# Altium PCB HORNET-1-IPG.PcbDoc (part 1 of 8) (continued)
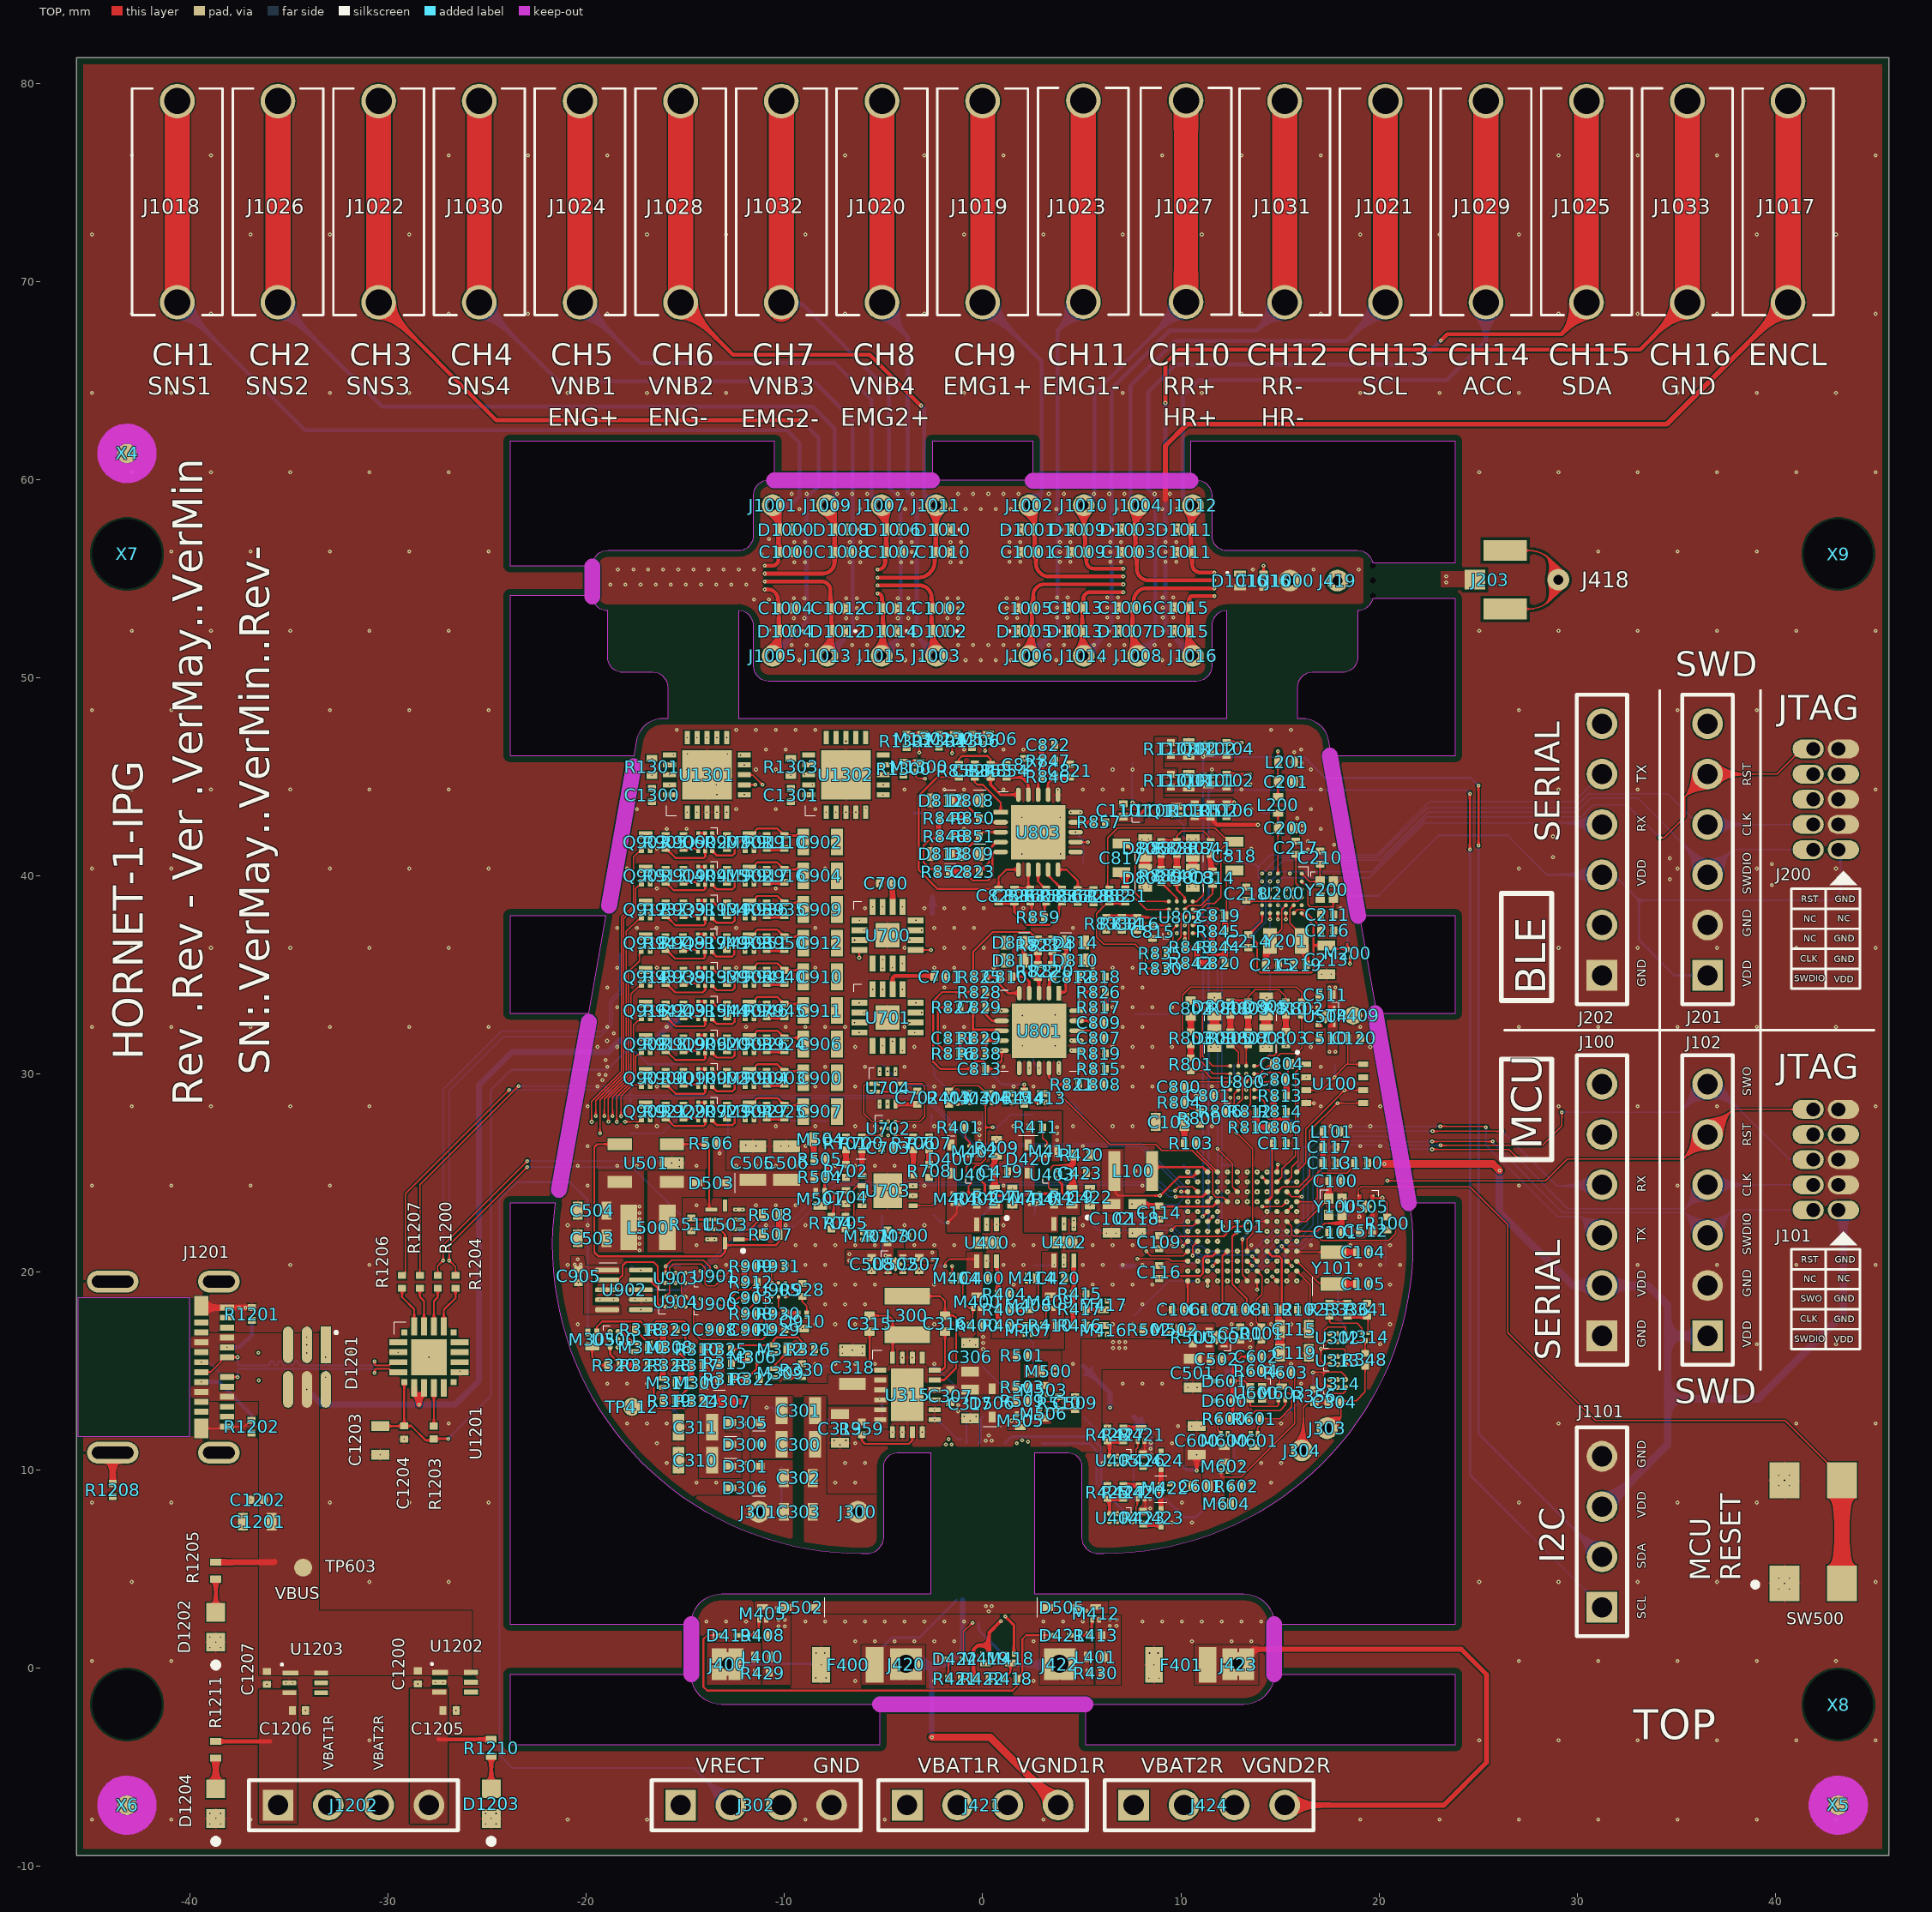
[diagram p0: TOP view]
## Design rules (kind name [scope] priority, off if disabled: settings) (continued)
PolygonConnect PolygonConnect_BAT [InNet('VBAT1R') or InNet('VBAT2R') or InNet('VGND1R') or InNet('VGND2R') vs InNet('VBAT1R') or InNet('VBAT2R') or InNet('VGND1R') or InNet('VGND2R')] p1: connectstyle=Direct reliefconductorwidth=0.254 reliefentries=4 polygonreliefangle="90 Angle" airgapwidth=0.254
PolygonConnect PolygonConnect_POWER [NOT InNet('GND')] p2: connectstyle=Direct reliefconductorwidth=0.254 reliefentries=4 polygonreliefangle="90 Angle" airgapwidth=0.254
PolygonConnect PolygonConnect_ANT [InNet('NetC200_*') OR InNet('NetC208_2') OR InNet('ANT+')] p3: connectstyle=Direct reliefconductorwidth=0.102 reliefentries=4 polygonreliefangle="90 Angle" airgapwidth=0.102
PolygonConnect [All] p4: thpad.connectstyle=Direct thpad.reliefconductorwidth=0.102 thpad.reliefentries=4 thpad.polygonreliefangle="90 Angle" thpad.airgapwidth=0.102 smdpad.connectstyle=Relief smdpad.reliefconductorwidth=0.102 smdpad.reliefentries=4 smdpad.polygonreliefangle="90 Angle" smdpad.airgapwidth=0.05 via.connectstyle=Direct via.reliefconductorwidth=0.102 via.reliefentries=4 via.polygonreliefangle="90 Angle" via.airgapwidth=0.102
RoomDefinition BGA6 [False] p1: confinementstyle=ConfineIn formatcopy=TRUE lockcomponents=FALSE outline -16.2,17.8 -12.395,17.8 -12.395,20.2 -16.2,20.2
RoomDefinition BGA2 [False] p2: confinementstyle=ConfineIn formatcopy=TRUE lockcomponents=FALSE outline 12.2,28.5 14,28.5 14,30.7 12.2,30.7
RoomDefinition BGA5 [False] p3: confinementstyle=ConfineIn formatcopy=TRUE lockcomponents=FALSE outline 9.145,36.88 10.855,36.88 10.855,38.92 9.145,38.92
RoomDefinition BGA1 [False] p4: confinementstyle=ConfineIn formatcopy=TRUE lockcomponents=FALSE outline 13.87,37.872 13.87,40.352 16.33,40.352 16.33,37.872
RoomDefinition BGA4 [False] p5: confinementstyle=ConfineIn formatcopy=TRUE lockcomponents=FALSE outline 9.6,18.8 9.6,25.8 16.6,25.8 16.6,18.8
RoutingCorners [All] p1 off: cornerstyle=45-Degree minsetback=2.54 maxsetback=2.54
RoutingVias RoutingVia [All] p1: holewidth=0.152 width=0.356 viastyle="Through Hole" minholewidth=0.152 minwidth=0.356 maxholewidth=0.203 maxwidth=0.508 useviatemplates=TRUE viatemplateguid#1={6F137D39-EFB3-471D-AB9A-2024EF80A49C} viatemplatename#1=70u/200u
SMDEntry [All] p1: side=TRUE corner=TRUE anyangle=TRUE
SMDNeckDown [All] p1 off: percent=50.000
SilkToSilkClearance [All] p1 off: silktosilkclearance=0.127
SilkToSolderMaskClearance SilkscreenOverComponentPads [All] p1: minsilkscreentomaskgap=0.064 clearancetoexposedcopper=FALSE
SolderMaskExpansion SolderMaskExpansion_Via [IsVia] p1: expansion=0.102 istentingtop=TRUE
SolderMaskExpansion SolderMaskExpansion_GSS_LE_BGA [WithinRoom('BGA1','BGA2','BGA3','BGA4','BGA5')] p2: expansion=0.06 istentingtop=FALSE
SolderMaskExpansion SolderMaskExpansion_GSS_PERF [not IsVia] p3: expansion=0.075 istentingtop=FALSE
SolderMaskExpansion SolderMaskExpansion_GSS_LE [All] p4 off: expansion=0.06 istentingtop=FALSE
SupplyNets "Schematic Supply Nets_4" [InNet('VCHG_RAIL')] p1: voltage=5.000
SupplyNets "Schematic Supply Nets_3" [InNet('VBUS')] p2: voltage=5.000
SupplyNets "Schematic Supply Nets_2" [InNet('DVDD')] p3: voltage=3.300
SupplyNets "Schematic Supply Nets_1" [InNet('VDDS')] p4: voltage=3.300
SupplyNets "Schematic Supply Nets" [InNet('VDDA')] p5: voltage=3.300
UnConnectedPin [All] p1 off:
UnRoutedNet [All] p1: checkbadconnections=TRUE
Width Width_ANT_TOP_layer [OnLayer('TOP') and InNetClass('50_OHM')] p1: maxlimit=0.254 minlimit=0.076 preferedwidth=0.254 toplayer_maxwidth=0.076 toplayer_prefwidth=0.076 substack1={3E7DB748-9F02-419D-9B08-30533E7470E3} toplayer_{3e7db748-9f02-419d-9b08-30533e7470e3}_minwidth=0.254 midlayer1_{3e7db748-9f02-419d-9b08-30533e7470e3}_minwidth=0.254 midlayer2_{3e7db748-9f02-419d-9b08-30533e7470e3}_minwidth=0.254 midlayer3_{3e7db748-9f02-419d-9b08-30533e7470e3}_minwidth=0.254 midlayer6_{3e7db748-9f02-419d-9b08-30533e7470e3}_minwidth=0.254 bottomlayer_{3e7db748-9f02-419d-9b08-30533e7470e3}_minwidth=0.254 impedanceprofiledriven=TRUE impedanceprofileid={823FEB0B-B66F-45F3-9F92-E5AAAC55A20F} impedanceprofilevalue=50.000000 minimp=50.000000 maximp=50.000000 favimp=50.000000
Width Width_ANT_inner_layer [OnLayer('POWER') and InNetClass('50_OHM')] p2: maxlimit=0.076 minlimit=0.029 preferedwidth=0.071 midlayer5_minwidth=0.071 midlayer5_maxwidth=0.071 substack1={3E7DB748-9F02-419D-9B08-30533E7470E3} toplayer_{3e7db748-9f02-419d-9b08-30533e7470e3}_minwidth=0.254 toplayer_{3e7db748-9f02-419d-9b08-30533e7470e3}_maxwidth=0.254 toplayer_{3e7db748-9f02-419d-9b08-30533e7470e3}_prefwidth=0.254 midlayer1_{3e7db748-9f02-419d-9b08-30533e7470e3}_minwidth=0.254 midlayer1_{3e7db748-9f02-419d-9b08-30533e7470e3}_maxwidth=0.254 midlayer1_{3e7db748-9f02-419d-9b08-30533e7470e3}_prefwidth=0.254 midlayer2_{3e7db748-9f02-419d-9b08-30533e7470e3}_minwidth=0.254 midlayer2_{3e7db748-9f02-419d-9b08-30533e7470e3}_maxwidth=0.254 midlayer2_{3e7db748-9f02-419d-9b08-30533e7470e3}_prefwidth=0.254 midlayer3_{3e7db748-9f02-419d-9b08-30533e7470e3}_minwidth=0.254 midlayer3_{3e7db748-9f02-419d-9b08-30533e7470e3}_maxwidth=0.254 midlayer3_{3e7db748-9f02-419d-9b08-30533e7470e3}_prefwidth=0.254 midlayer5_{3e7db748-9f02-419d-9b08-30533e7470e3}_minwidth=0.091 midlayer5_{3e7db748-9f02-419d-9b08-30533e7470e3}_maxwidth=0.091 midlayer5_{3e7db748-9f02-419d-9b08-30533e7470e3}_prefwidth=0.091 midlayer6_{3e7db748-9f02-419d-9b08-30533e7470e3}_minwidth=0.254 midlayer6_{3e7db748-9f02-419d-9b08-30533e7470e3}_maxwidth=0.254 midlayer6_{3e7db748-9f02-419d-9b08-30533e7470e3}_prefwidth=0.254 bottomlayer_{3e7db748-9f02-419d-9b08-30533e7470e3}_minwidth=0.254 bottomlayer_{3e7db748-9f02-419d-9b08-30533e7470e3}_maxwidth=0.254 bottomlayer_{3e7db748-9f02-419d-9b08-30533e7470e3}_prefwidth=0.254 impedanceprofiledriven=TRUE impedanceprofileid={6B18A218-5760-4BF1-B6E5-0FB2CE448664} impedanceprofilevalue=50.000000 minimp=50.000000 maximp=50.000000 favimp=50.000000
Width Width_GSS_STD_60u [All] p3: maxlimit=10 minlimit=0.06 preferedwidth=0.06 substack1={3E7DB748-9F02-419D-9B08-30533E7470E3} toplayer_{3e7db748-9f02-419d-9b08-30533e7470e3}_minwidth=0.254 toplayer_{3e7db748-9f02-419d-9b08-30533e7470e3}_maxwidth=0.254 toplayer_{3e7db748-9f02-419d-9b08-30533e7470e3}_prefwidth=0.254 midlayer1_{3e7db748-9f02-419d-9b08-30533e7470e3}_minwidth=0.254 midlayer1_{3e7db748-9f02-419d-9b08-30533e7470e3}_maxwidth=0.254 midlayer1_{3e7db748-9f02-419d-9b08-30533e7470e3}_prefwidth=0.254 midlayer2_{3e7db748-9f02-419d-9b08-30533e7470e3}_minwidth=0.254 midlayer2_{3e7db748-9f02-419d-9b08-30533e7470e3}_maxwidth=0.254 midlayer2_{3e7db748-9f02-419d-9b08-30533e7470e3}_prefwidth=0.254 midlayer3_{3e7db748-9f02-419d-9b08-30533e7470e3}_minwidth=0.254 midlayer3_{3e7db748-9f02-419d-9b08-30533e7470e3}_maxwidth=0.254 midlayer3_{3e7db748-9f02-419d-9b08-30533e7470e3}_prefwidth=0.254 midlayer6_{3e7db748-9f02-419d-9b08-30533e7470e3}_minwidth=0.254 midlayer6_{3e7db748-9f02-419d-9b08-30533e7470e3}_maxwidth=0.254 midlayer6_{3e7db748-9f02-419d-9b08-30533e7470e3}_prefwidth=0.254 bottomlayer_{3e7db748-9f02-419d-9b08-30533e7470e3}_minwidth=0.254 bottomlayer_{3e7db748-9f02-419d-9b08-30533e7470e3}_maxwidth=0.254 bottomlayer_{3e7db748-9f02-419d-9b08-30533e7470e3}_prefwidth=0.254 // 18u (1/2oz) Cu
Width Width_GSS_PERF_40u [All] p4 off: maxlimit=10 minlimit=0.04 preferedwidth=0.04 substack1={3E7DB748-9F02-419D-9B08-30533E7470E3} // 18u (1/2oz) Cu per design guidelines
Width Width_GSS_PERF_50u [All] p5 off: maxlimit=10 minlimit=0.05 preferedwidth=0.05 substack1={3E7DB748-9F02-419D-9B08-30533E7470E3} // 18u (1/2oz) Cu per discussion with GSS
9 further rules are at their usual default settings.

## Classes and differential pairs
net class POWER: DVDD HVIN HVOUT V_UNREG VBAT1F VBAT1R VBAT1SW VBAT2F VBAT2R VBAT2SW VCHG_RAIL VDDA VDDS VRECT
net class DIGITAL: ACC.SCL ACC.SDA ACC_EN AMPL_RSTn BATT.MON_EN BATT.SW_EN BLE_P.1 BLE_P.2 BLE_PWRn BLE_RSTn BLE_SWDCLK BLE_SWDIO BLE_UART.RX BLE_UART.TX CB_EN CHG1.EN CHG1.OVP_ERRn CHG1.STATUS CHG2.EN CHG2.OVP_ERRn CHG2.STATUS CHG_RATE1 CHG_RATE2 DEBUG_UART_RX DEBUG_UART_TX ECG.HR_LOD ECG.HR_SDNn ECG.RLD ECG.RR_LOD ECG.RR_SDNn ECG_SEL ECG_SELn EMG1.LOD EMG1.SDNn EMG2.LOD EMG2.SDNn FRAM_EN HV_EN HVSW_EN I2C2.SCL I2C2.SDA IMP_EN IMPA_SEL.0 IMPA_SEL.1 IMPA_SEL.2 IMPA_SEL.3 IMPB_SEL.0 IMPB_SEL.1 IMPB_SEL.2 IMPB_SEL.3 IPG_SHDN MAG_DET MUX_EN MUX_ENn PG_START PH1_EN PH2_EN SNK1 SNK2 SNK3 SNK4 SNK5 SNK6 SNK7 SNK8 SNK17 SPI1.BLE_CSn SPI1.FRAM_CSn SPI1.MISO SPI1.MOSI SPI1.SCK SR_SEL1 SR_SEL1n SR_SEL2 SR_SEL2n SRC1 SRC2 SRC3 SRC4 SRC5 SRC6 SRC7 SRC8 SRC17 STIM_EN SWCLK SWDIO SWO SYS_RSTn TEMP_EN USB_N USB_P VCHG_PGOOD VDDA_EN VDDS_EN VPPSW_EN VRECT.DET VRECT.MON_EN VRECT.OVP XL_SCL XL_SDA
net class ANALOG: BATT.MON1 BATT.MON2 CH5 CH6 CH7 CH8 CH10 CH12 ECG.HR_OUT ECG.RR_OUT ECG_HR+ ECG_HR- ECG_RR+ ECG_RR- EMG1+ EMG1- EMG1.OUT EMG2+ EMG2- EMG2.OUT ENCL IMP1 IMP2 IMP3 IMP4 IMP5 IMP6 IMP7 IMP8 IMP17 IMP_INA IMP_INB NetC101_1 SNS_STIM1 SNS_STIM2 SNS_STIM3 SNS_STIM4 THERM.OFST THERM.OUT THERM.REF VNS_STIM5 VNS_STIM6 VNS_STIM7 VNS_STIM8 VRECT.MON
component class "Test Fixture": C1200 C1201 C1202 C1203 C1204 C1205 C1206 C1207 D1201 D1202 D1203 D1204 J1201 J1202 R1200 R1201 R1202 R1203 R1204 R1205 R1206 R1207 R1208 R1210 R1211 TP603 TP1200 TP1201 TP1202 TP1203 TP1205 TP1206 U1201 U1202 U1203
component class "Output Multiplexing": C1300 C1301 M1300 M1302 M1305 M1306 R1300 R1301 R1302 R1303 R1304 R1306 U1301 U1302
component class Digital: C1101 C1102 D1101 D1102 J1101 Q1101 Q1102 Q1103 R1101 R1102 R1103 R1104 R1105 R1106 TP1101 TP1103 U1101
component class WPT: C300 C301 C302 C303 C304 C306 C307 C310 C311 C315 C316 C317 C318 C319 D300 D301 D305 D306 D307 J300 J301 J302 J303 J304 L300 M300 M305 M306 M308 M309 M310 M311 M312 M314 R310 R315 R316 R317 R318 R319 R320 R322 R323 R324 R325 R326 R328 R329 R330 R336 R337 R341 R348 R356 R359 TP300 TP302 TP308 TP309 TP310 TP311 TP312 TP313 TP314 TP316 TP319 TP320 TP321 U300 U302 U313 U314 U315
component class U_System: J418 J419
component class "STM32 MCU": C100 C101 C102 C103 C104 C105 C106 C107 C108 C109 C110 C111 C112 C113 C114 C115 C116 C117 C118 C119 C120 J100 J101 J102 L100 L101 R100 R101 R102 R103 TP100 TP101 TP104 TP105 TP106 TP108 U100 U101 Y100 Y101
component class Stimulation: C900 C901 C902 C903 C904 C905 C906 C907 C908 C909 C910 C911 C912 M900 M901 M902 M903 M904 M905 M906 M907 M908 Q900 Q901 Q902 Q903 Q904 Q905 Q906 Q907 Q908 Q909 Q910 Q911 Q912 Q913 Q914 Q915 Q916 Q917 Q918 R900 R901 R902 R903 R904 R905 R906 R907 R908 R909 R910 R911 R912 R913 R914 R915 R916 R917 R918 R919 R920 R921 R922 R923 R924 R925 R926 R927 R928 R929 R930 R931 R932 R933 R934 R935 R936 R937 R938 R939 R940 R941 R942 R943 R944 R945 R946 R947 R948 R949 R950 R951 TP900 TP901 TP902 U900 U901 U902 U903 U904 U905
component class Sensing: C800 C801 C802 C803 C804 C805 C806 C807 C808 C809 C810 C811 C812 C813 C814 C815 C816 C817 C818 C819 C820 C821 C822 C823 C824 C825 C826 C827 C828 C829 D800 D801 D802 D803 D804 D805 D806 D807 D808 D809 D810 D811 D812 D813 D814 D815 R800 R801 R802 R803 R804 R805 R806 R807 R808 R809 R810 R811 R812 R813 R814 R815 R816 R817 R818 R819 R820 R821 R822 R823 R824 R825 R826 R827 R828 R829 R830 R831 R832 R833 R834 R835 R836 R837 R838 R839 R840 R841 R842 R843 R844 R845 R846 R847 R848 R849 R850 R851 R852 R853 R854 R855 R856 R857 R858 R859 R860 R861 TP800 TP801 TP802 TP803 TP804 TP805 U800 U801 U802 U803
component class "Power Management": C500 C501 C502 C503 C504 C505 C506 C507 C508 C509 C510 C511 C512 D502 D503 D505 D506 L500 M500 M501 M502 M503 M504 M505 M506 R500 R501 R502 R503 R504 R505 R506 R507 R508 R509 R510 R511 SW500 TP500 TP501 TP502 TP503 TP504 TP505 TP506 TP508 TP509 TP510 TP512 TP513 TP514 U500 U501 U502 U503 U504 U505
component class "Magnet Sensor": C600 C601 C602 D600 D601 M600 M601 M602 M603 M604 R600 R601 R602 R603 R604 TP600 TP601 TP602 TP604 U600
component class IMC: C700 C701 C702 C703 C704 M700 M701 R700 R701 R702 R703 R704 R705 R706 R707 R708 TP700 TP701 TP702 TP703 U700 U701 U702 U703 U704
component class Electrodes: C1000 C1001 C1002 C1003 C1004 C1005 C1006 C1007 C1008 C1009 C1010 C1011 C1012 C1013 C1014 C1015 C1016 D1000 D1001 D1002 D1003 D1004 D1005 D1006 D1007 D1008 D1009 D1010 D1011 D1012 D1013 D1014 D1015 D1016 J1000 J1001 J1002 J1003 J1004 J1005 J1006 J1007 J1008 J1009 J1010 J1011 J1012 J1013 J1014 J1015 J1016 J1017 J1018 J1019 J1020 J1021 J1022 J1023 J1024 J1025 J1026 J1027 J1028 J1029 J1030 J1031 J1032 J1033
component class 01-Cover: X1 X2 X3 X4 X5 X6 X7 X8 X9
component class BLE: C200 C201 C210 C211 C213 C214 C215 C216 C217 C218 C219 J200 J201 J202 J203 L200 L201 M200 TP200 TP201 TP202 TP203 TP204 TP205 U200 Y200 Y201
component class "Battery Management": C400 C417 C419 C420 C422 C423 D400 D419 D420 D421 D422 D423 D424 F400 F401 J400 J420 J421 J422 J423 J424 L400 L401 M400 M401 M402 M403 M404 M405 M406 M407 M408 M409 M410 M411 M412 M413 M414 M415 M416 M417 M418 M419 M420 M421 M422 R400 R401 R402 R403 R404 R405 R406 R407 R408 R409 R410 R411 R412 R413 R414 R415 R416 R417 R418 R419 R420 R421 R422 R423 R424 R425 R426 R427 R428 R429 R430 TP400 TP401 TP402 TP403 TP404 TP405 TP406 TP407 TP408 TP409 TP410 TP411 TP412 TP413 TP414 TP415 TP416 TP417 TP418 TP419 TP420 TP421 TP422 TP423 TP424 TP425 TP426 TP427 TP428 TP429 TP430 TP431 TP432 TP433 TP434 TP435 U400 U401 U402 U403 U404 U405
net class 50_OHM: ANT+ ANT- NetC200_2
differential pair USB: +USB_P -USB_N

## Components (designator, comment, footprint, x,y, rotation, side; value= is the part's Value field where it differs from the comment)
C100 "GRM0335C1E120JA01D" C0201_C 17.8,24.6 r180 top value=12pF
C101 "GRM0335C1E120JA01D" C0201_C 17.8,22 r180 top value=12pF
C102 "GRM188R61C475KE11" CAP0603_REDUCED 6.5,22.7 r90 top value=4.7uF
C103 "GRM188R61C475KE11" CAP0603_REDUCED 9.45,27.575 r180 top value=4.7uF
C104 "GRM0335C1E120JA01D" C0201_C 19.2,21 r180 top value=12pF
C105 "GRM0335C1E120JA01D" C0201_C 19.2,19.4 r180 top value=12pF
C106 "GRM033R61E104KE14J" C0201_C 9.9,18.1 r0 top value=100nF
C107 "GRM033R61E104KE14J" C0201_C 11.5,18.1 r0 top value=100nF
C108 "GRM033R61E104KE14J" C0201_C 13,18.1 r0 top value=100nF
C109 "GRM033R61E104KE14J" C0201_C 8.9,21.5 r90 top value=100nF
C110 "GRM033R61E104KE14J" C0201_C 19.1,25.5 r180 top value=100nF
C111 "GRM033R61E104KE14J" C0201_C 15,26.5 r180 top value=100nF
C112 "GRM033R61E104KE14J" C0201_C 14.6,18.1 r0 top value=100nF
C113 "GRM033R61E104KE14J" C0201_C 17.5,25.5 r180 top value=100nF
C114 "GRM033R61E104KE14J" C0201_C 8.9,23 r90 top value=100nF
C115 "GRM188R61C475KE11" CAP0603_REDUCED 15.724,17.124 r0 top value=4.7uF
C116 "GRM033R61E104KE14J" C0201_C 8.9,20 r270 top value=100nF
C117 "GRM033R61C105ME15D" C0201_C 17.5,26.3 r0 top value=1uF
C118 "GRM188R61C475KE11" CAP0603_REDUCED 7.8,22.7 r270 top value=4.7uF
C119 "GRM188R61C475KE11" CAP0603_REDUCED 15.724,15.922 r0 top value=4.7uF
C120 "GRM033R61E104KE14J" C0201_C 18.745,31.8 r180 top value=100nF
C200 "600L0R8AT200T" CAP0402_REDUCED 15.3,42.4 r180 top value=0.8pF
C201 "600L1R0AT200T" CAP0402_REDUCED 15.3,44.753 r180 top value=1pF
C210 "GRM0335C1E120JA01D" C0201_C 17.028,40.912 r90 top value=12pF
C211 "GRM0335C1E120JA01D" C0201_C 17.384,38.044 r180 top value=12pF
C213 "GRM188R61C475KE11" CAP0603_REDUCED 17.348,35.761 r270 top value=4.7uF
C214 "GRM033R61E104KE14J" C0201_C 13.4,36.7 r90 top value=100nF
C215 "GRM0335C1E120JA01D" C0201_C 14.6,35.5 r180 top value=12pF
C216 "GRM033R61E104KE14J" C0201_C 17.389,37.236 r180 top value=100nF
C217 "GRM033R71E101KA01D" C0201_C 15.8,41.412 r270 top value=100pF
C218 "GRM033R61C105ME15D" C0201_C 13.3,39.1 r90 top value=1uF
C219 "GRM0335C1E120JA01D" C0201_C 16,35.5 r0 top value=12pF
C300 "GRM2195C2A273GE01D" CAP0805_REDUCED -9.3,11.3 r180 top value=27nF
C301 "GRM2195C2A273GE01D" CAP0805_REDUCED -9.3,13 r180 top value=27nF
C302 "C0603C472F3GECTU" CAP0603_REDUCED -9.3,9.6 r0 top value=4.7nF
C303 "C0603C472F3GECTU" CAP0603_REDUCED -9.3,7.9 r0 top value=4.7nF
C304 "GRM0335C1E330JA01D" C0201_C 17.755,13.437 r0 top value=33pF
C306 "GRM188R61C475KE11" CAP0603_REDUCED -0.636,15.704 r90 top value=4.7uF
C307 "GRM033R61E104KE14J" C0201_C -1.632,13.737 r90 top value=100nF
C310 "GCM21BC7YA475KE36L" CAP0805_REDUCED -14.5,10.5 r0 top value=4.7uF
C311 "GCM21BC7YA475KE36L" CAP0805_REDUCED -14.5,12.167 r0 top value=4.7uF
C315 "GCM155R71H223KA55D" CAP0402_REDUCED -5.7,17.4 r90 top value=0.022uF
C316 "GCM155R71H223KA55D" CAP0402_REDUCED -1.9,17.4 r90 top value=0.022uF
C317 "GRM188R61C475KE11" CAP0603_REDUCED -0.636,13.342 r270 top value=4.7uF
C318 "GCM21BC7YA475KE36L" CAP0805_REDUCED -6.575,15.2 r270 top value=4.7uF
C319 "GRM188R61C475KE11" CAP0603_REDUCED -7.2,12.1 r270 top value=4.7uF
C400 "GRM033R61C105ME15D" C0201_C 0,19.7 r0 top value=1uF
C417 "GCM155R71C104KA55" CAP0402_REDUCED 1.5,23.809 r90 top value=0.1uF
C419 "GCM033R71E471KA03D" C0201_C 0.932,25.069 r180 top value=470pF
C420 "GRM033R61C105ME15D" C0201_C 3.8,19.7 r0 top value=1uF
C422 "GCM155R71C104KA55" CAP0402_REDUCED 5.419,23.778 r90 top value=0.1uF
C423 "GCM033R71E471KA03D" C0201_C 4.9,25 r180 top value=470pF
C500 "GRM033R61E104KE14J" C0201_C 13,16.9 r270 top value=100nF
C501 "GRM188R61C475KE11" CAP0603_REDUCED 10.6,14.9 r270 top value=4.7uF
C502 "GRM033R61E104KE14J" C0201_C 11.8,15.6 r180 top value=100nF
C503 "GRM188R61C475KE11" CAP0603_REDUCED -19.7,21.7 r180 top value=4.7uF
C504 "GRM188R61C475KE11" CAP0603_REDUCED -19.7,23.1 r180 top value=4.7uF
C505 "GCM21BC7YA475KE36L" CAP0805_REDUCED -11.6,25.5 r90 top value=4.7uF
C506 "GCM21BC7YA475KE36L" CAP0805_REDUCED -9.9,25.5 r90 top value=4.7uF
C507 "GRM033R61E104KE14J" C0201_C -3.2,20.4 r90 top value=100nF
C508 "GRM033R61E104KE14J" C0201_C -5.6,20.4 r90 top value=100nF
C509 "GRM033R61E104KE14J" C0201_C 4.661,13.386 r270 top value=100nF
C510 "GRM033R61E104KE14J" C0201_C 17.3,31.8 r0 top value=100nF
C511 "GRM033R61E104KE14J" C0201_C 17.3,34 r0 top value=100nF
C512 "GRM033R61E104KE14J" C0201_C 19.334,22.096 r0 top value=100nF
C600 "GRM188R61C475KE11" CAP0603_REDUCED 10.8,11.5 r90 top value=4.7uF
C601 "ZRB15XR61A106ME01D" CAP0402_REDUCED 11,9.2 r0 top value=10uF
C602 "GRM033R61E104KE14J" C0201_C 13.809,15.727 r180 top value=100nF
C700 "GRM033R61E104KE14J" C0201_C -4.88,39.621 r0 top value=100nF
C701 "GRM033R61E104KE14J" C0201_C -2.124,34.902 r180 top value=100nF
C702 "GRM033R61E104KE14J" C0201_C -3.3,28.8 r270 top value=100nF
C703 "GRM033R61E104KE14J" C0201_C -4.775,26.271 r180 top value=100nF
C704 "GRM033R61E104KE14J" C0201_C -6.901,23.781 r90 top value=100nF
C800 "GRM033R61E104KE14J" C0201_C 9.905,29.336 r0 top value=100nF
C801 "GRM033R61E104KE14J" C0201_C 11.4,28.9 r0 top value=100nF
C802 "CGA2B1X7S1C334K050BC" CAP0402_REDUCED 10.5,33.3 r270 top value=0.33uF
C803 "GRM033R71E102KA01J" C0201_C 15.3,31.8 r270 top value=1nF
C804 "CGA2B1X7S1C334K050BC" CAP0402_REDUCED 15.1,30.5 r180 top value=0.33uF
C805 "GRM033R71E102KA01J" C0201_C 15,29.7 r180 top value=1nF
C806 "GCM155R71H152KA37D" CAP0402_REDUCED 15,27.3 r180 top value=1500pF
C807 "GRM033R61E104KE14J" C0201_C 5.864,31.802 r180 top value=100nF
C808 "GRM033R61E104KE14J" C0201_C 5.864,29.475 r0 top value=100nF
C809 "GRM033R60J155ME14D" C0201_C 5.864,32.578 r180 top value=1.5uF
C810 "GRM033R71E102KA01J" C0201_C 1.151,34.91 r0 top value=1nF
C811 "GRT033R60J474KE01D" C0201_C -1.473,31.802 r180 top value=470nF
C812 "GRT033R60J474KE01D" C0201_C 4.522,34.905 r0 top value=470nF
C813 "GRM0335C1H680JA01D" C0201_C -0.168,30.251 r0 top value="68 pF"
C814 "GRM033R71E102KA01J" C0201_C 11.6,39.9 r270 top value=1nF
C815 "GRM033R61E104KE14J" C0201_C 8.572,37.17 r90 top value=100nF
C816 "GRM033R61E104KE14J" C0201_C 7.8,37.57 r90 top value=100nF
C817 "GRM188Z71C225ME43J" CAP0603_REDUCED 7,40.9 r270 top value=2.2uF
C818 "GRM188Z71C225ME43J" CAP0603_REDUCED 12.7,41 r270 top value=2.2uF
C819 "GRM033R61E104KE14J" C0201_C 11.9,38 r180 top value=100nF
C820 "GRM033R61E104KE14J" C0201_C 11.9,35.6 r180 top value=100nF
C821 "GRM033R61E104KE14J" C0201_C 4.4,45.3 r90 top value=100nF
C822 "GRM033R61E104KE14J" C0201_C 3.3,46.6 r0 top value=100nF
C823 "GRM033R71E102KA01J" C0201_C -0.5,40.2 r0 top value=1nF
C824 "GRT033R60J474KE01D" C0201_C -0.4,45.3 r90 top value=470nF
C825 "GRT033R60J474KE01D" C0201_C 0.8,39 r270 top value=470nF
C826 "GRM0335C1E271JA01D" C0201_C 1.6,39 r90 top value=270pF
C827 "GRM033R60J155ME14D" C0201_C 2.1,45.6 r270 top value=1.5uF
C828 "GRM0335C1H680JA01D" C0201_C 5.6,38.97 r90 top value="68 pF"
C829 "GRM0335C1E271JA01D" C0201_C -0.168,33.354 r0 top value=270pF
C900 "GRM21BR61H106ME43L" CAP0805_REDUCED -8.2,29.8 r0 top value=10uF
C901 "GRM033R61E104KE14J" C0201_C -11.7,17.1 r0 top value=100nF
C902 "GRM21BR61H106ME43L" CAP0805_REDUCED -8.2,41.7 r0 top value=10uF
C903 "GRM033R61E104KE14J" C0201_C -11.7,18.7 r0 top value=100nF
C904 "GRM21BR61H106ME43L" CAP0805_REDUCED -8.2,40 r0 top value=10uF
C905 "GRM033R61E104KE14J" C0201_C -20.4,19.8 r90 top value=100nF
C906 "GRM21BR61H106ME43L" CAP0805_REDUCED -8.2,31.5 r0 top value=10uF
C907 "GRM21BR61H106ME43L" CAP0805_REDUCED -8.2,28.1 r0 top value=10uF
C908 "GRM033R61E104KE14J" C0201_C -13.5,17.1 r180 top value=100nF
C909 "GRM21BR61H106ME43L" CAP0805_REDUCED -8.2,38.3 r0 top value=10uF
C910 "GRM21BR61H106ME43L" CAP0805_REDUCED -8.2,34.9 r0 top value=10uF
C911 "GRM21BR61H106ME43L" CAP0805_REDUCED -8.2,33.2 r0 top value=10uF
C912 "GRM21BR61H106ME43L" CAP0805_REDUCED -8.203,36.6 r0 top value=10uF
C1000 "C1005C0G2A681J050BE" CAP0402_REDUCED -9.9,56.335 r180 top value=680pF
C1001 "C1005C0G2A681J050BE" CAP0402_REDUCED 2.293,56.335 r0 top value=680pF
C1002 "C1005C0G2A681J050BE" CAP0402_REDUCED -2.183,53.505 r180 top value=680pF
C1003 "C1005C0G2A681J050BE" CAP0402_REDUCED 7.373,56.335 r0 top locked value=680pF
C1004 "C1005C0G2A681J050BE" CAP0402_REDUCED -9.933,53.505 r180 top value=680pF
C1005 "C1005C0G2A681J050BE" CAP0402_REDUCED 2.148,53.505 r0 top value=680pF
C1006 "C1005C0G2A681J050BE" CAP0402_REDUCED 7.228,53.536 r0 top locked value=680pF
C1007 "C1005C0G2A681J050BE" CAP0402_REDUCED -4.518,56.335 r180 top value=680pF
C1008 "C1005C0G2A681J050BE" CAP0402_REDUCED -7.107,56.335 r180 top value=680pF
C1009 "C1005C0G2A681J050BE" CAP0402_REDUCED 4.833,56.335 r0 top locked value=680pF
C1010 "C1005C0G2A681J050BE" CAP0402_REDUCED -2.018,56.335 r180 top value=680pF
C1011 "C1005C0G2A681J050BE" CAP0402_REDUCED 10.167,56.335 r0 top locked value=680pF
C1012 "C1005C0G2A681J050BE" CAP0402_REDUCED -7.286,53.505 r180 top value=680pF
C1013 "C1005C0G2A681J050BE" CAP0402_REDUCED 4.688,53.536 r0 top locked value=680pF
C1014 "C1005C0G2A681J050BE" CAP0402_REDUCED -4.683,53.505 r180 top value=680pF
C1015 "C1005C0G2A681J050BE" CAP0402_REDUCED 10.022,53.536 r0 top locked value=680pF
C1016 "GRT0335C1E680JA02D" C0201_C 14.173,54.897 r270 top value=68pF
C1101 "GRM033R61E104KE14J" C0201_C 7.1,43.3 r270 top value=100nF
C1102 "GRM033R61C105ME15D" C0201_C 11.5,43.3 r270 top value=1uF
C1200 "GRM033R61E104KE14J" C0201_C -28.499,-0.457 r90 top value=100nF
C1201 "GRM188R61C475KE11" CAP0603_REDUCED -36.6,7.4 r180 top value=4.7uF
C1202 "GRM033R61E104KE14J" C0201_C -36.6,8.5 r0 top value=100nF
C1203 "GRM188R61C475KE11" CAP0603_REDUCED -30.4,11.5 r270 top value=4.7uF
C1204 "GRM033R61E104KE14J" C0201_C -29.2,11.9 r90 top value=100nF
C1205 "GRM033R61C105ME15D" C0201_C -26.9,-2.129 r0 top value=1uF
C1206 "GRM033R61C105ME15D" C0201_C -34.5,-2.129 r180 top value=1uF
C1207 "GRM033R61E104KE14J" C0201_C -36.119,-0.483 r90 top value=100nF
C1300 "GRM033R61E104KE14J" C0201_C -16.696,44.077 r90 top value=100nF
C1301 "GRM033R61E104KE14J" C0201_C -9.686,44.077 r90 top value=100nF
D300 "NSR05T40XV2T5G" STM_SOD-523_R -12,11.3 r0 top
D301 "NSR05T40XV2T5G" STM_SOD-523_R -12,10.2 r0 top
D305 "NSR05T40XV2T5G" STM_SOD-523_R -12,12.4 r180 top
D306 "NSR05T40XV2T5G" STM_SOD-523_R -12,9.1 r180 top
D307 "BZX884B10L-G3-08" DFN1006-2A -12.852,13.462 r180 top
D400 "NSR05T40XV2T5G" STM_SOD-523_R -1.6,25.7 r270 top
D419 "NSR0130P2T5G" ONSC_SOD-923_CASE514AB -12.8,1.671 r180 top
D420 "NSR05T40XV2T5G" STM_SOD-523_R 2.3,25.7 r270 top
D421 "NSR0130P2T5G" ONSC_SOD-923_CASE514AB 4,1.671 r180 top
D422 "NSR0130P2T5G" ONSC_SOD-923_CASE514AB -1.4,0.471 r180 top
D423 "NSR0130P2T5G" ONSC_SOD-923_CASE514AB 9,7.6 r90 top
D424 "NSR0130P2T5G" ONSC_SOD-923_CASE514AB 9,10.5 r270 top
D502 "NSR05T40XV2T5G" STM_SOD-523_R -9.2,3.071 r180 top
D503 "NSR05T40XV2T5G" STM_SOD-523_R -13.7,24.5 r180 top
D505 "NSR05T40XV2T5G" STM_SOD-523_R 4,3.071 r0 top
D506 "NSR05T40XV2T5G" STM_SOD-523_R 0.472,13.392 r90 top
D600 "NSR0130P2T5G" ONSC_SOD-923_CASE514AB 12.2,13.5 r0 top
D601 "NSR0130P2T5G" ONSC_SOD-923_CASE514AB 12.2,14.5 r0 top
D800 "BAS116LS-QYL" BAS116LSQYL 11.7,31.8 r90 top
D801 "BAS116LS-QYL" BAS116LSQYL 14.3,31.8 r90 top
D802 "BAS116LS-QYL" BAS116LSQYL 8.2,39.9 r90 top
D803 "BAS116LS-QYL" BAS116LSQYL 10.6,39.9 r90 top
D804 "BAS116LS-QYL" BAS116LSQYL 11.7,33.4 r90 top
D805 "BAS116LS-QYL" BAS116LSQYL 14.3,33.4 r90 top
D806 "BAS116LS-QYL" BAS116LSQYL 8.2,41.4 r90 top
D807 "BAS116LS-QYL" BAS116LSQYL 10.6,41.4 r90 top
D808 "BAS116LS-QYL" BAS116LSQYL -0.6,43.8 r180 top
D809 "BAS116LS-QYL" BAS116LSQYL -0.6,41.1 r180 top
D810 "BAS116LS-QYL" BAS116LSQYL 4.668,35.727 r180 top
D811 "BAS116LS-QYL" BAS116LSQYL 1.613,35.724 r0 top
D812 "BAS116LS-QYL" BAS116LSQYL -2.1,43.8 r180 top
D813 "BAS116LS-QYL" BAS116LSQYL -2.1,41.1 r180 top
D814 "BAS116LS-QYL" BAS116LSQYL 4.673,36.629 r0 top
D815 "BAS116LS-QYL" BAS116LSQYL 1.613,36.622 r180 top
D1000 "PESD5V0S1BLD,315" PESD5V0S1BLD315 -9.918,57.472 r180 top
D1001 "PESD5V0S1BLD,315" PESD5V0S1BLD315 2.278,57.472 r0 top
D1002 "PESD5V0S1BLD,315" PESD5V0S1BLD315 -2.183,52.345 r180 top
D1003 "PESD5V0S1BLD,315" PESD5V0S1BLD315 7.358,57.472 r0 top
D1004 "PESD5V0S1BLD,315" PESD5V0S1BLD315 -9.933,52.345 r180 top
D1005 "PESD5V0S1BLD,315" PESD5V0S1BLD315 2.133,52.345 r0 top locked
D1006 "PESD5V0S1BLD,315" PESD5V0S1BLD315 -4.518,57.472 r180 top
D1007 "PESD5V0S1BLD,315" PESD5V0S1BLD315 7.213,52.345 r0 top
D1008 "PESD5V0S1BLD,315" PESD5V0S1BLD315 -7.124,57.472 r180 top
D1009 "PESD5V0S1BLD,315" PESD5V0S1BLD315 4.818,57.472 r0 top
D1010 "PESD5V0S1BLD,315" PESD5V0S1BLD315 -2.018,57.472 r180 top
D1011 "PESD5V0S1BLD,315" PESD5V0S1BLD315 10.152,57.472 r0 top
D1012 "PESD5V0S1BLD,315" PESD5V0S1BLD315 -7.283,52.345 r180 top
D1013 "PESD5V0S1BLD,315" PESD5V0S1BLD315 4.673,52.345 r0 top
D1014 "PESD5V0S1BLD,315" PESD5V0S1BLD315 -4.683,52.345 r180 top
D1015 "PESD5V0S1BLD,315" PESD5V0S1BLD315 10.007,52.345 r0 top locked
D1016 "PESD5V0S1BLD,315" PESD5V0S1BLD315 12.979,54.9 r270 top
D1101 "CPDQC3V3T-HF" 0402C/SOD-923F 10.4,44.8 r270 top value=130pF
D1102 "CPDQC3V3T-HF" 0402C/SOD-923F 10.4,46.4 r270 top value=130pF
D1201 "IP4220CZ6F" FP-SOT457-IPC_A -34.1,15.2 r270 top
D1202 "LTST-C191TGKT" LEDC0603 -38.7,2.071 r90 top value="GREEN LED"
D1203 "LTST-C191KRKT" LEDC0603 -24.8,-6.829 r90 top value="RED LED"
D1204 "LTST-C191KFKT" LEDC0603 -38.7,-6.829 r90 top value="ORANGE LED"
F400 "0440.750WR" LITTELFUSE_440series_1206_REDUCED -6.8,0.171 r180 top value=750mA
F401 "0440.750WR" LITTELFUSE_440series_1206_REDUCED 10,0.171 r180 top value=750mA
J100 "TSW-106-07-G-S" SMTC-TSW-106-07-X-S 31.25,16.78 r90 top
J101 "FTSH-105-01-F-D-K" SAMTEC_FTSH-105-01-XXX-D-K 42.545,25.67 r90 top
J102 "TSW-106-07-G-S" SMTC-TSW-106-07-X-S 36.58,16.78 r90 top
J200 "FTSH-105-01-F-D-K" SAMTEC_FTSH-105-01-XXX-D-K 42.545,43.859 r90 top
J201 "TSW-106-07-G-S" SMTC-TSW-106-07-X-S 36.58,34.969 r90 top
J202 "TSW-106-07-G-S" SMTC-TSW-106-07-X-S 31.25,34.969 r90 top
J203 "U.FL-R-SMT-1(10)" FP-U_FL-R-SMT-1_10-MFG 26.366,54.94 r90 top
J300 "Coil Pad" FEEDHOLE_20mil#1 -7,9.243 r270 top value="Coil Solder Pad"
J301 "Coil Pad" FEEDHOLE_20mil#2 -11.9,8.343 r270 top value="Coil Solder Pad"
J302 "TSW-104-07-G-S" SMTC-TSW-104-07-X-S -15.24,-6.909 r0 top
J303 "Coil Pad" FEEDHOLE_20mil#3 18.1,12 r255 top value="Coil Solder Pad"
J304 "Coil Pad" FEEDHOLE_20mil#4 17.1,10.5 r0 top value="Coil Solder Pad"
J400 "Kovar Block" KOVAR_BLOCK_PAD_1.53MM -12.873,0.203 r180 top value="Kovar block"
J418 "THPAD_20m" FEEDHOLE_20mil#5 29.051,54.94 r90 top value="FT pad"
J419 "THPAD_20m" FEEDHOLE_20mil#5 17.905,54.897 r270 top value="FT pad"
J420 "Kovar Block" KOVAR_BLOCK_PAD_1.53MM -3.869,0.203 r180 top value="Kovar block"
J421 "TSW-104-07-G-S" SMTC-TSW-104-07-X-S -3.81,-6.909 r0 top
J422 "Kovar Block" KOVAR_BLOCK_PAD_1.53MM 3.894,0.203 r180 top value="Kovar block"
J423 "Kovar Block" KOVAR_BLOCK_PAD_1.53MM 12.898,0.203 r180 top value="Kovar block"
J424 "TSW-104-07-G-S" SMTC-TSW-104-07-X-S 7.62,-6.909 r0 top
J1000 "THPAD_20m" FEEDHOLE_20mil#6 84.803,71.646 r90 top value="FT pad"
J1001 "THPAD_20m" FEEDHOLE_20mil#7 56.822,74.247 r90 top value="FT pad"
J1002 "THPAD_20m" FEEDHOLE_20mil#8 67.794,74.247 r90 top value="FT pad"
J1003 "THPAD_20m" FEEDHOLE_20mil#9 65.086,66.647 r90 top value="FT pad"
J1004 "THPAD_20m" FEEDHOLE_20mil#10 73.108,74.247 r90 top value="FT pad"
J1005 "THPAD_20m" FEEDHOLE_20mil#11 56.822,68.905 r90 top value="FT pad"